# Altium PCB RTD_12POS_WPSv2.PcbDoc (part 1 of 2)
Units mm, origin at the board's own origin, x right, y up, seen from the top; angles counter-clockwise.
Board outline 122.55 x 122.29 mm, 2 copper layers (Top Layer, Bottom Layer); 330 components, 293 nets, 1223 pads, 0 vias.
Unrouted connection lines stored in the file: 835.
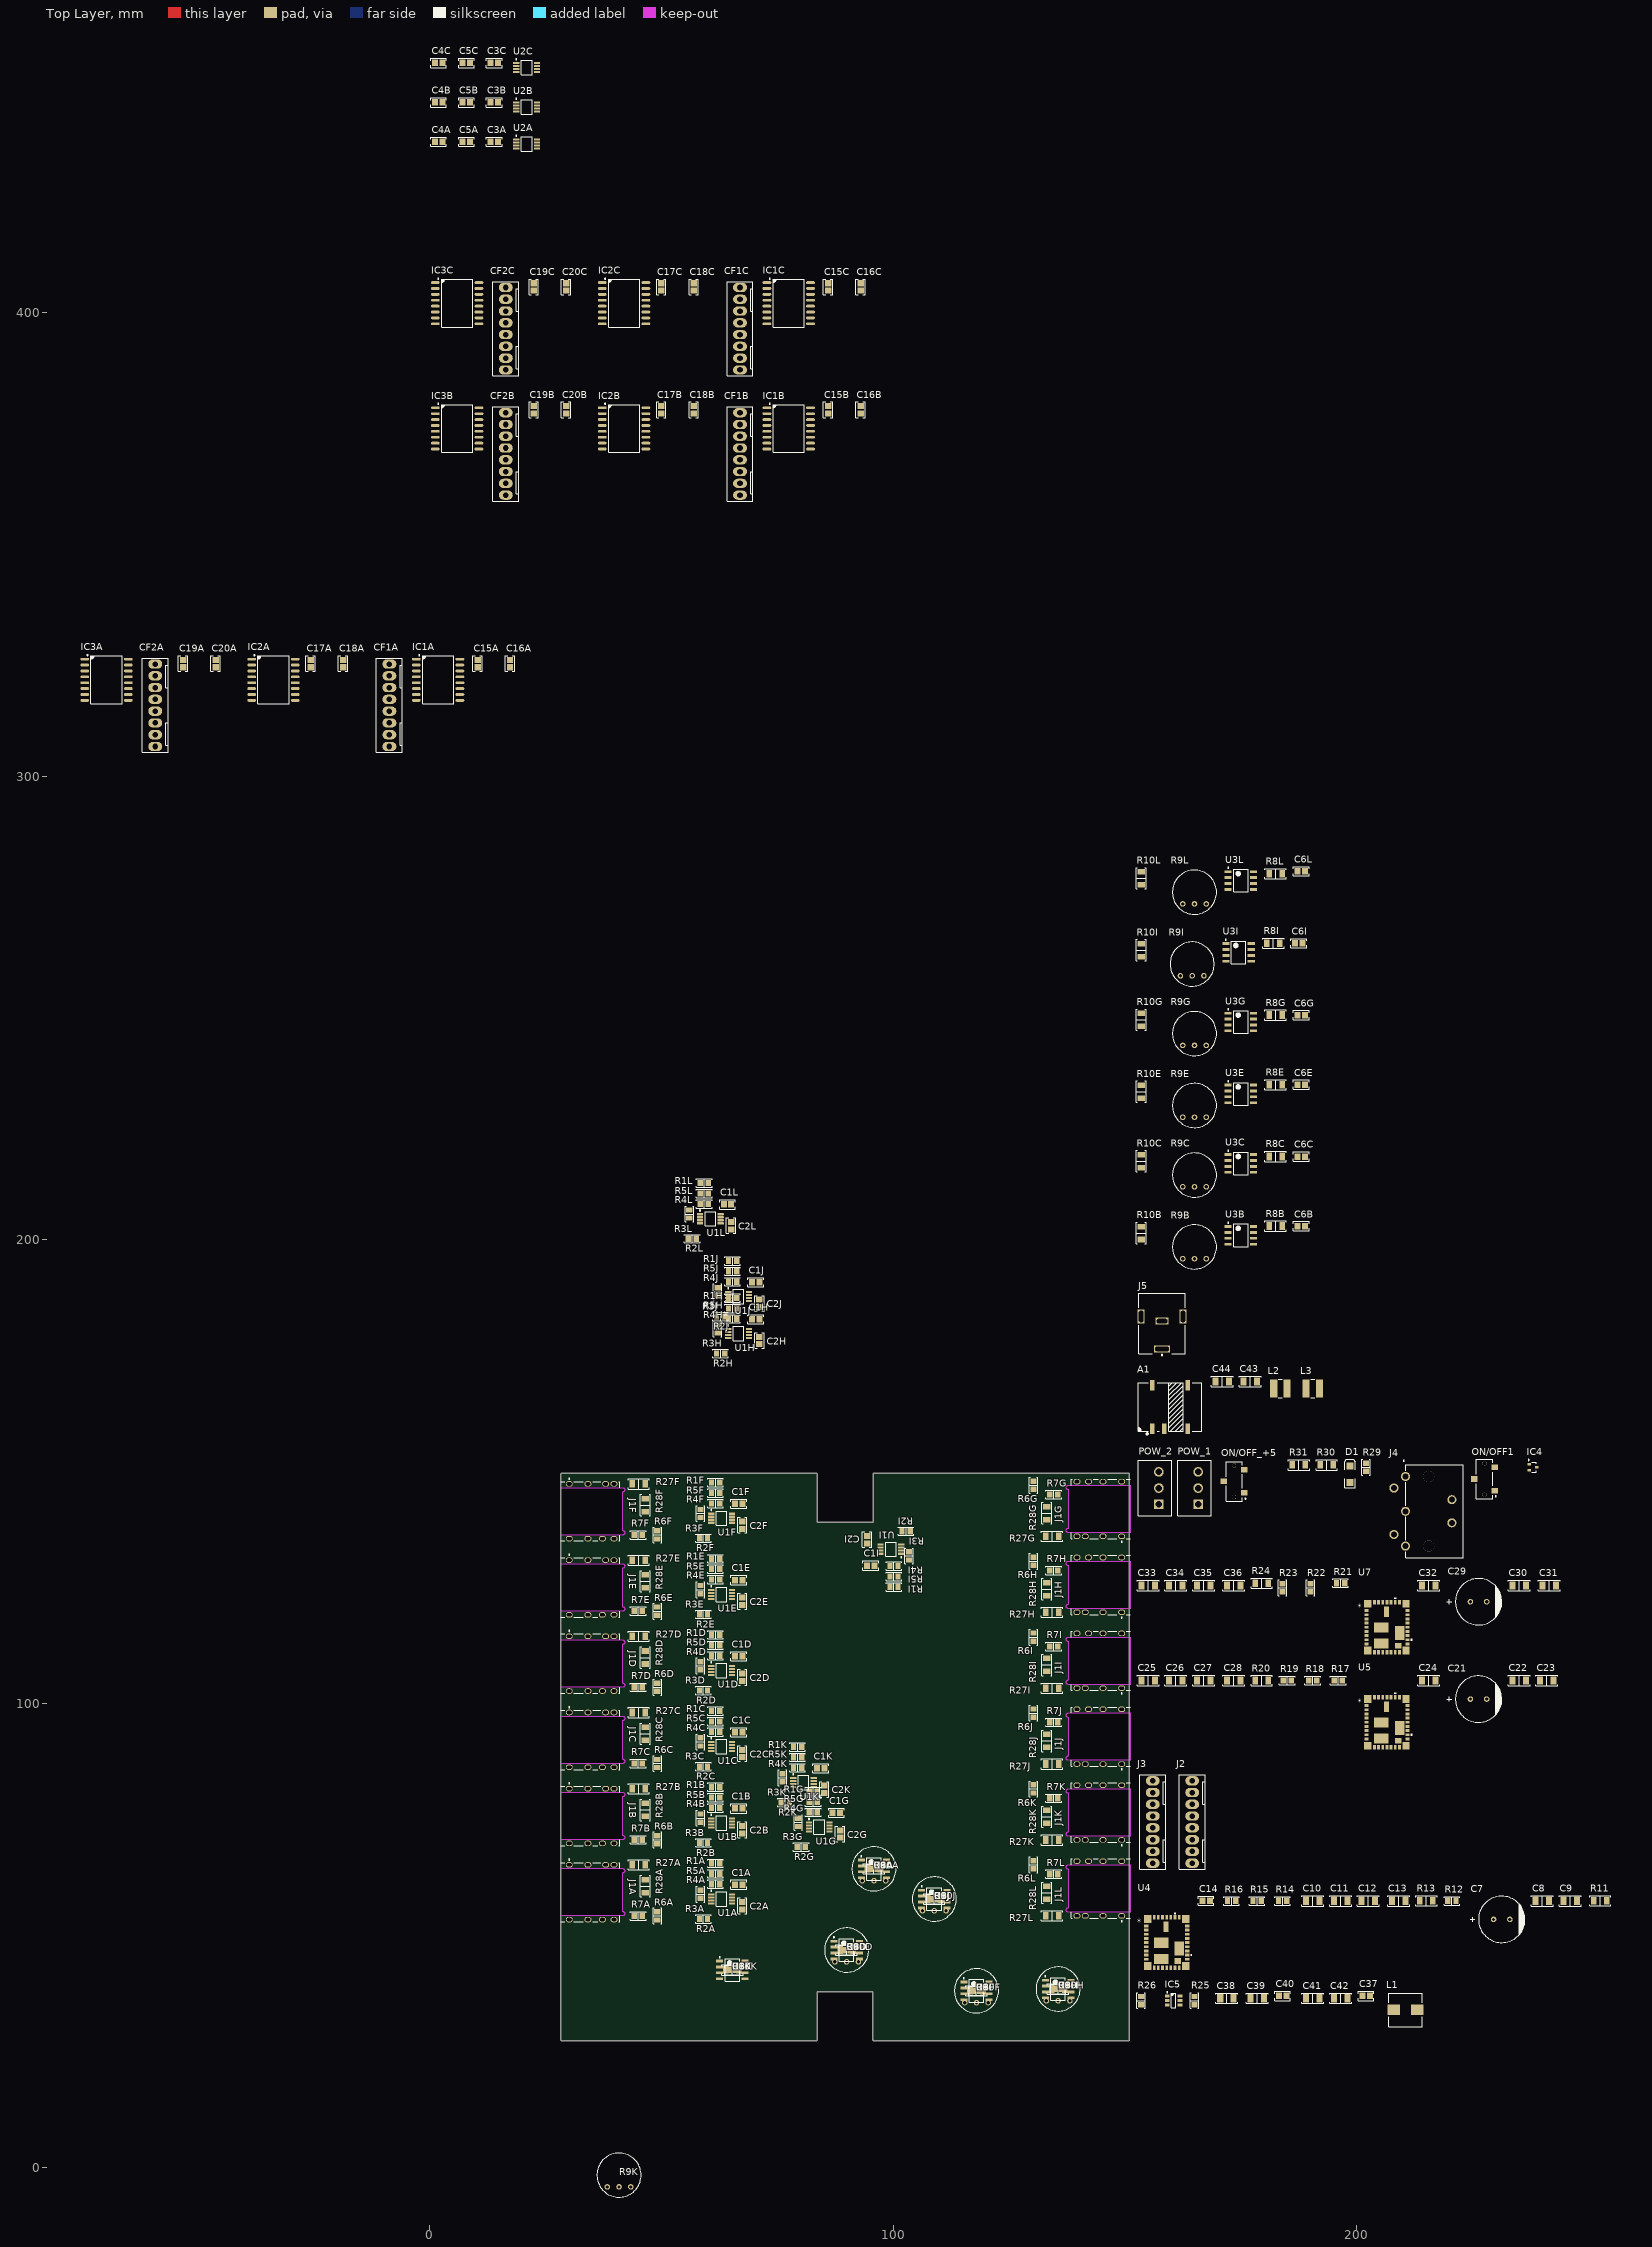
[diagram p0: Top Layer view]
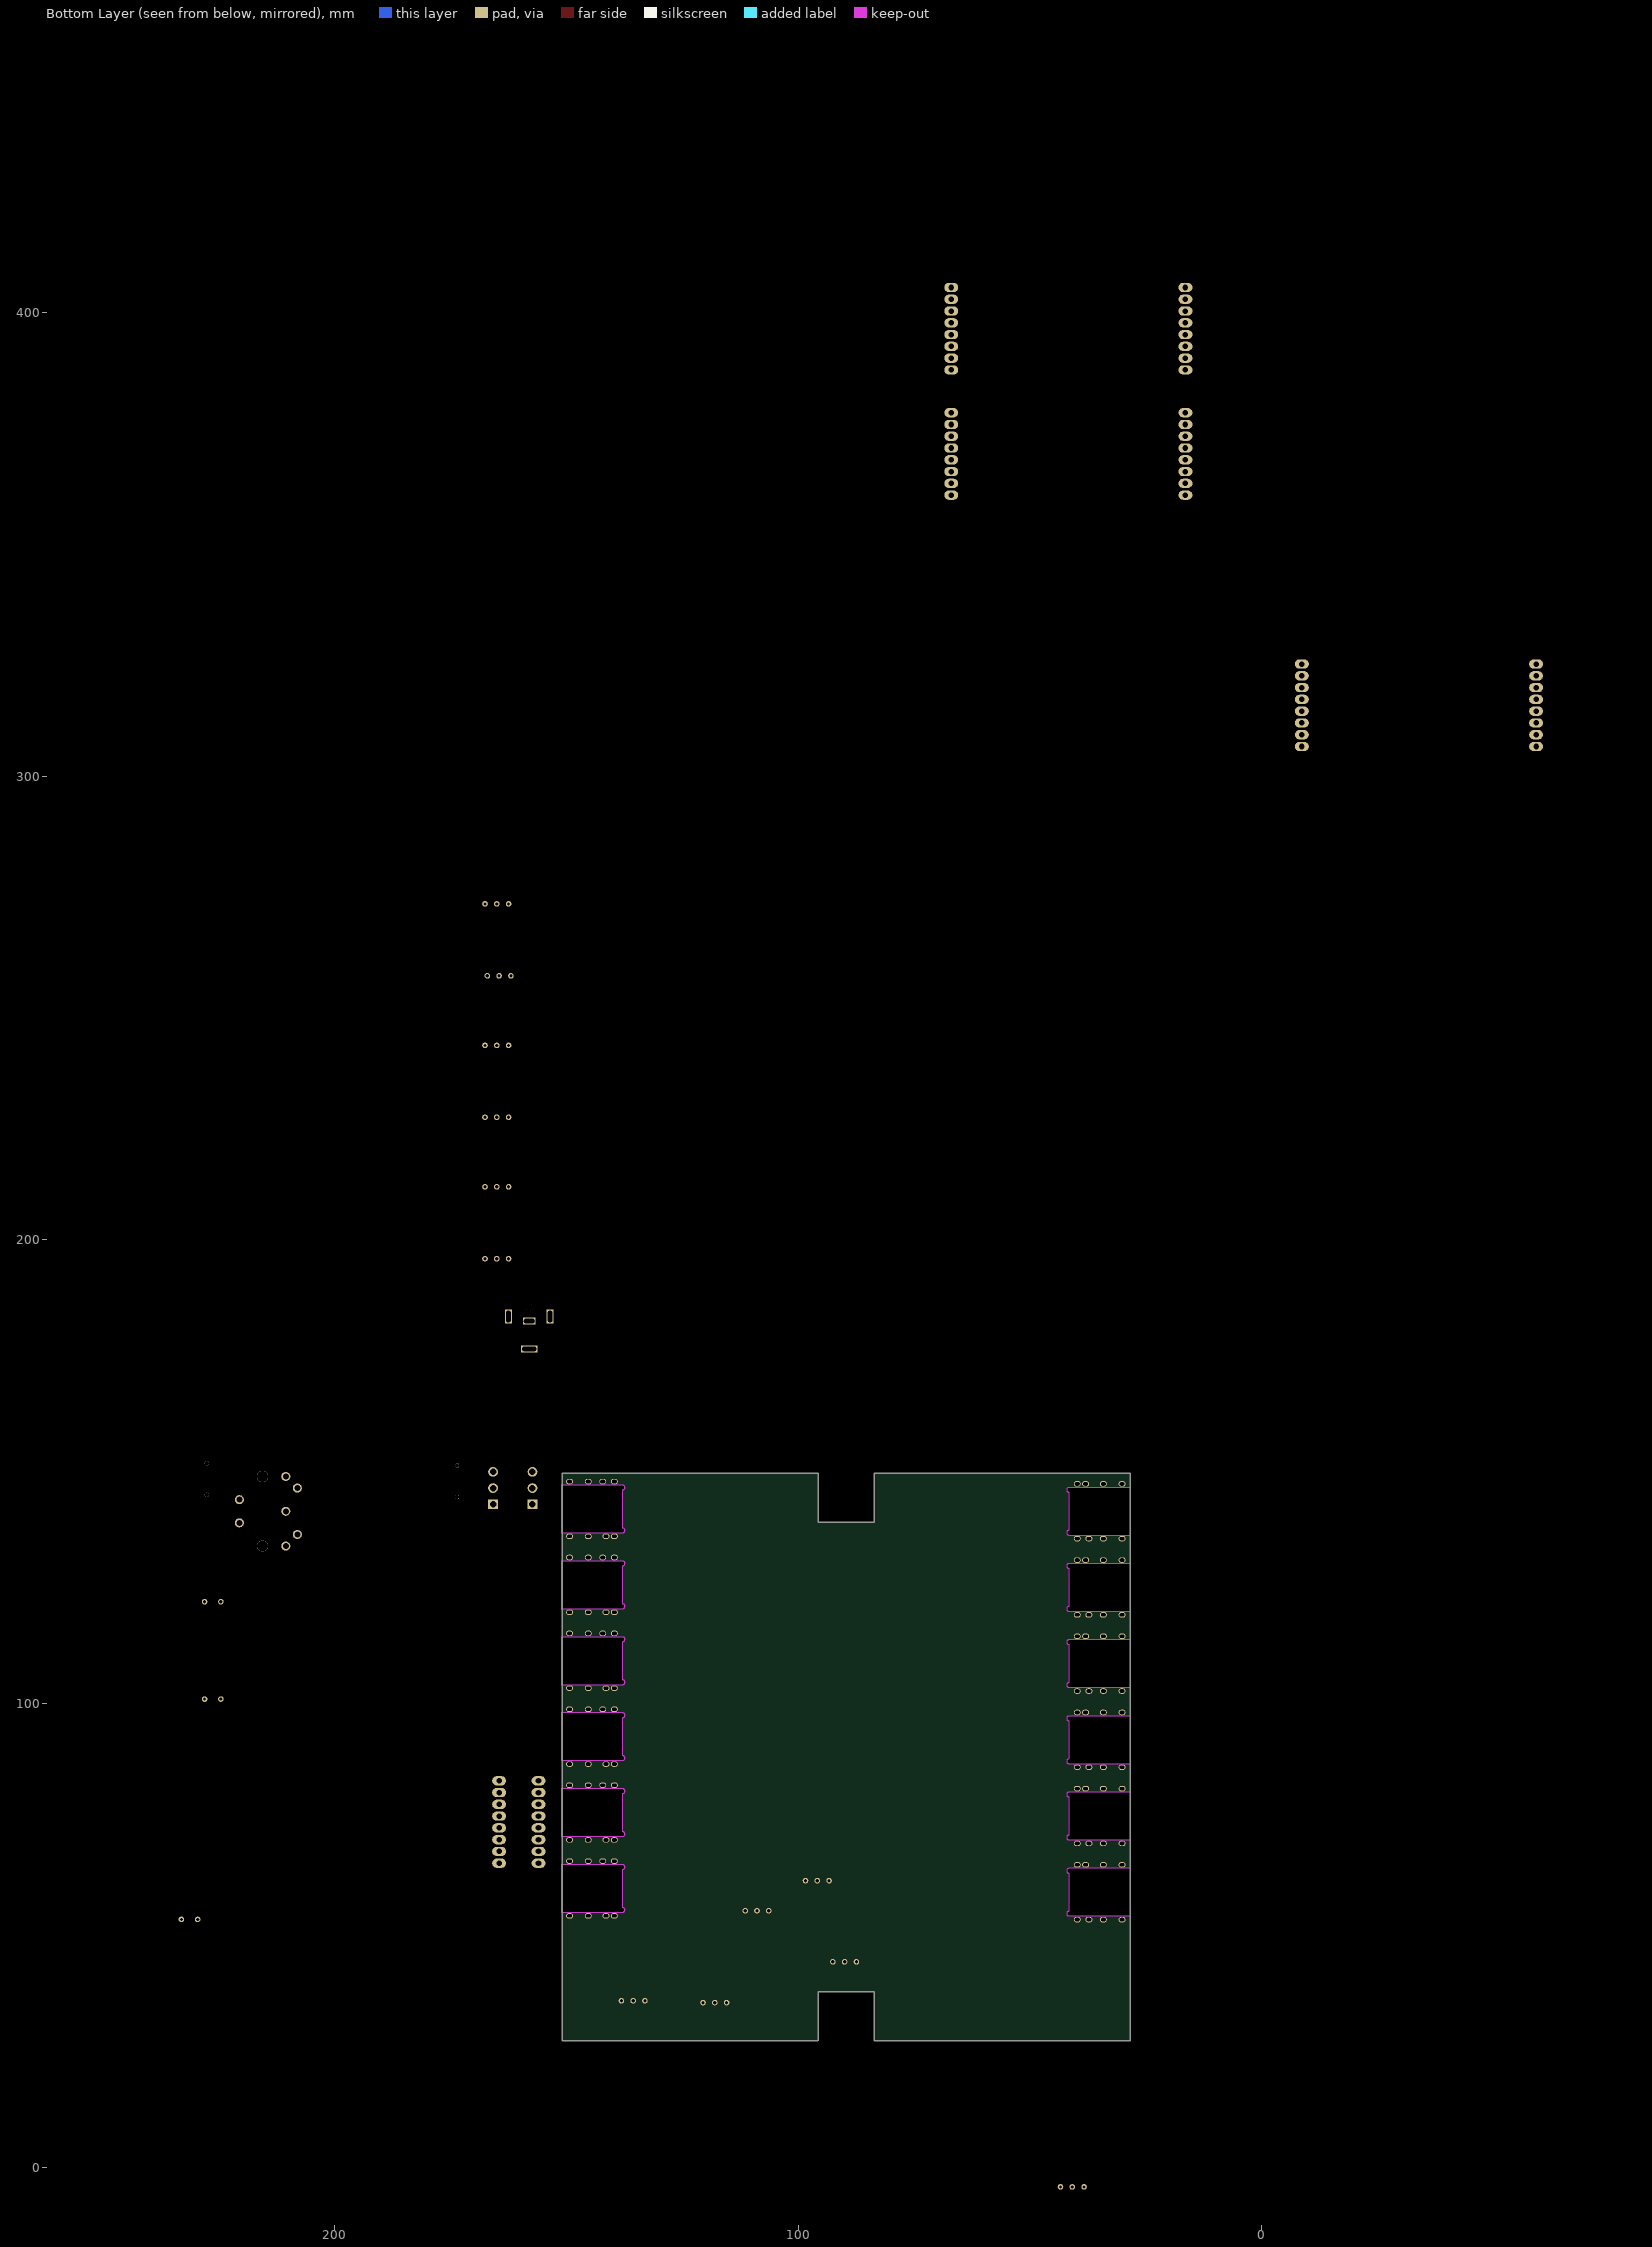
[diagram p1: Bottom Layer view, seen from below]

## Layer stack, top to bottom
Top Solder: solder mask 0.0102, Solder Resist, Dk 3.5
Top Layer: signal copper 0.0356
Dielectric 1: dielectric 0.32, FR-4, Dk 4.8
Bottom Layer: signal copper 0.0356
Bottom Solder: solder mask 0.0102, Solder Resist, Dk 3.5

## Board outline
28.373,27.5 ccw(c28.5,27.5) 28.5,27.373 83.48,27.373 ccw(c83.48,27.5) 83.607,27.5 83.607,37.873 95.673,37.873 95.673,27.51 ccw(c95.8,27.51) 95.715,27.415 ccw(c95.81,27.5) 95.81,27.373 150.8,27.373 ccw(c150.8,27.5) 150.927,27.5 150.927,149.54 ccw(c150.8,149.54) 150.8,149.667 95.82,149.667 ccw(c95.82,149.54) 95.693,149.54 95.693,139.147 83.607,139.147 83.607,149.54 ccw(c83.48,149.54) 83.48,149.667 28.5,149.667 ccw(c28.5,149.54) 28.373,149.54

## Design rules (kind name [scope] priority, off if disabled: settings)
Clearance [All] p1: gap=0.254 ignorepadtopadclearanceinfootprint=FALSE except(0: Arc-Hole Track-Hole SMDPad-Hole THPad-Hole Via-Hole Fill-Hole Poly-Hole Region-Hole Text-Hole)
PolygonConnect [All] p1: connectstyle=Relief reliefconductorwidth=0.254 reliefentries=4 polygonreliefangle="90 Angle" airgapwidth=0.254
RoomDefinition U_VrefSchC [InComponentClass('U_VrefSchC')] p1: confinementstyle=ConfineIn formatcopy=TRUE lockcomponents=FALSE outline 0,450.8 24.5,450.8 24.5,457.8 0,457.8
RoomDefinition U_VrefSchB [InComponentClass('U_VrefSchB')] p2: confinementstyle=ConfineIn formatcopy=TRUE lockcomponents=FALSE outline 0,442.3 24.5,442.3 24.5,449.3 0,449.3
RoomDefinition U_VrefSchA [InComponentClass('U_VrefSchA')] p3: confinementstyle=ConfineIn formatcopy=TRUE lockcomponents=FALSE outline 0,434.3 24.5,434.3 24.5,441.3 0,441.3
RoomDefinition U_VccConnSch [InComponentClass('U_VccConnSch')] p4: confinementstyle=ConfineIn formatcopy=TRUE lockcomponents=FALSE outline 152,174.5 164,174.5 164,191.5 152,191.5
RoomDefinition U_RTDAnalogL [InComponentClass('U_RTDAnalogL')] p5: confinementstyle=ConfineIn formatcopy=TRUE lockcomponents=FALSE outline 54.6,198.975 66.5,198.975 66.5,213.575 54.6,213.575
RoomDefinition U_RTDAnalogK [InComponentClass('U_RTDAnalogK')] p6: confinementstyle=ConfineIn formatcopy=TRUE lockcomponents=FALSE outline 74.7,77.4 86.6,77.4 86.6,92 74.7,92
RoomDefinition U_RTDAnalogJ [InComponentClass('U_RTDAnalogJ')] p7: confinementstyle=ConfineIn formatcopy=TRUE lockcomponents=FALSE outline 60.7,182.199 72.6,182.199 72.6,196.799 60.7,196.799
RoomDefinition U_RTDAnalogI [InComponentClass('U_RTDAnalogI')] p8: confinementstyle=ConfineIn formatcopy=TRUE lockcomponents=FALSE outline 104.9,138.5 93,138.5 93,123.9 104.9,123.9
RoomDefinition U_RTDAnalogH [InComponentClass('U_RTDAnalogH')] p9: confinementstyle=ConfineIn formatcopy=TRUE lockcomponents=FALSE outline 60.7,174.199 72.6,174.199 72.6,188.799 60.7,188.799
RoomDefinition U_RTDAnalogG [InComponentClass('U_RTDAnalogG')] p10: confinementstyle=ConfineIn formatcopy=TRUE lockcomponents=FALSE outline 78.085,67.785 89.985,67.785 89.985,82.385 78.085,82.385
RoomDefinition U_RTDAnalogF [InComponentClass('U_RTDAnalogF')] p11: confinementstyle=ConfineIn formatcopy=TRUE lockcomponents=FALSE outline 57.025,134.4 68.925,134.4 68.925,149 57.025,149
RoomDefinition U_RTDAnalogE [InComponentClass('U_RTDAnalogE')] p12: confinementstyle=ConfineIn formatcopy=TRUE lockcomponents=FALSE outline 57.025,117.98 68.925,117.98 68.925,132.58 57.025,132.58
RoomDefinition U_RTDAnalogD [InComponentClass('U_RTDAnalogD')] p13: confinementstyle=ConfineIn formatcopy=TRUE lockcomponents=FALSE outline 57.025,101.56 68.925,101.56 68.925,116.16 57.025,116.16
RoomDefinition U_RTDAnalogC [InComponentClass('U_RTDAnalogC')] p14: confinementstyle=ConfineIn formatcopy=TRUE lockcomponents=FALSE outline 57.025,85.14 68.925,85.14 68.925,99.74 57.025,99.74
RoomDefinition U_RTDAnalogB [InComponentClass('U_RTDAnalogB')] p15: confinementstyle=ConfineIn formatcopy=TRUE lockcomponents=FALSE outline 57.025,68.72 68.925,68.72 68.925,83.32 57.025,83.32
RoomDefinition U_RTDAnalogA [InComponentClass('U_RTDAnalogA')] p16: confinementstyle=ConfineIn formatcopy=TRUE lockcomponents=FALSE outline 57.025,52.3 68.925,52.3 68.925,66.9 57.025,66.9
RoomDefinition U_PowerIsolation [InComponentClass('U_PowerIsolation')] p17: confinementstyle=ConfineIn formatcopy=TRUE lockcomponents=FALSE outline 152,157 194,157 194,173.5 152,173.5
RoomDefinition U_PowerDelivery [InComponentClass('U_PowerDelivery')] p18: confinementstyle=ConfineIn formatcopy=TRUE lockcomponents=FALSE outline 152.5,131 241,131 241,156 152.5,156
RoomDefinition U_Neg12V [InComponentClass('U_Neg12V')] p19: confinementstyle=ConfineIn formatcopy=TRUE lockcomponents=FALSE outline 152,110 244.5,110 244.5,130 152,130
RoomDefinition U_Neg5V [InComponentClass('U_Neg5V')] p20: confinementstyle=ConfineIn formatcopy=TRUE lockcomponents=FALSE outline 152,89.5 244,89.5 244,109 152,109
RoomDefinition U_MonitorOut [InComponentClass('U_MonitorOut')] p21: confinementstyle=ConfineIn formatcopy=TRUE lockcomponents=FALSE outline 152,63 168.5,63 168.5,88.5 152,88.5
RoomDefinition U_IsolationOut [InComponentClass('U_IsolationOut')] p22: confinementstyle=ConfineIn formatcopy=TRUE lockcomponents=FALSE outline 0,384.999 98,384.999 98,410.499 0,410.499
RoomDefinition U_ConnGd- [InComponentClass('U_ConnGd-')] p23: confinementstyle=ConfineIn formatcopy=TRUE lockcomponents=FALSE outline 0,357.999 98,357.999 98,383.499 0,383.499
RoomDefinition U_ConnGd+ [InComponentClass('U_ConnGd+')] p24: confinementstyle=ConfineIn formatcopy=TRUE lockcomponents=FALSE outline 0,303.8 98,303.8 98,329.3 0,329.3
RoomDefinition U_ConnectorSchL [InComponentClass('U_ConnectorSchL')] p25: confinementstyle=ConfineIn formatcopy=TRUE lockcomponents=FALSE outline 154.3,67.76 128.8,67.76 128.8,51.76 154.3,51.76
RoomDefinition U_ConnectorSchK [InComponentClass('U_ConnectorSchK')] p26: confinementstyle=ConfineIn formatcopy=TRUE lockcomponents=FALSE outline 154.3,84.128 128.8,84.128 128.8,68.128 154.3,68.128
RoomDefinition U_ConnectorSchJ [InComponentClass('U_ConnectorSchJ')] p27: confinementstyle=ConfineIn formatcopy=TRUE lockcomponents=FALSE outline 154.3,100.496 128.8,100.496 128.8,84.496 154.3,84.496
RoomDefinition U_ConnectorSchI [InComponentClass('U_ConnectorSchI')] p28: confinementstyle=ConfineIn formatcopy=TRUE lockcomponents=FALSE outline 154.3,116.864 128.8,116.864 128.8,100.864 154.3,100.864
RoomDefinition U_ConnectorSchH [InComponentClass('U_ConnectorSchH')] p29: confinementstyle=ConfineIn formatcopy=TRUE lockcomponents=FALSE outline 154.3,133.232 128.8,133.232 128.8,117.232 154.3,117.232
RoomDefinition U_ConnectorSchG [InComponentClass('U_ConnectorSchG')] p30: confinementstyle=ConfineIn formatcopy=TRUE lockcomponents=FALSE outline 154.3,149.6 128.8,149.6 128.8,133.6 154.3,133.6
RoomDefinition U_ConnectorSchF [InComponentClass('U_ConnectorSchF')] p31: confinementstyle=ConfineIn formatcopy=TRUE lockcomponents=FALSE outline 25.175,133.9 50.675,133.9 50.675,149.9 25.175,149.9
RoomDefinition U_ConnectorSchE [InComponentClass('U_ConnectorSchE')] p32: confinementstyle=ConfineIn formatcopy=TRUE lockcomponents=FALSE outline 25.175,117.472 50.675,117.472 50.675,133.472 25.175,133.472
RoomDefinition U_ConnectorSchD [InComponentClass('U_ConnectorSchD')] p33: confinementstyle=ConfineIn formatcopy=TRUE lockcomponents=FALSE outline 25.175,101.044 50.675,101.044 50.675,117.044 25.175,117.044
RoomDefinition U_ConnectorSchC [InComponentClass('U_ConnectorSchC')] p34: confinementstyle=ConfineIn formatcopy=TRUE lockcomponents=FALSE outline 25.175,84.616 50.675,84.616 50.675,100.616 25.175,100.616
RoomDefinition U_ConnectorSchB [InComponentClass('U_ConnectorSchB')] p35: confinementstyle=ConfineIn formatcopy=TRUE lockcomponents=FALSE outline 25.175,68.188 50.675,68.188 50.675,84.188 25.175,84.188
RoomDefinition U_ConnectorSchA [InComponentClass('U_ConnectorSchA')] p36: confinementstyle=ConfineIn formatcopy=TRUE lockcomponents=FALSE outline 25.175,51.76 50.675,51.76 50.675,67.76 25.175,67.76
RoomDefinition U_ComparisonSchL [InComponentClass('U_ComparisonSchL')] p37: confinementstyle=ConfineIn formatcopy=TRUE lockcomponents=FALSE outline 152,269.499 191,269.499 191,283.499 152,283.499
RoomDefinition U_ComparisonSchK [InComponentClass('U_ComparisonSchK')] p38: confinementstyle=ConfineIn formatcopy=TRUE lockcomponents=FALSE outline 59.87,37.115 71.37,37.115 71.37,48.115 59.87,48.115
RoomDefinition U_ComparisonSchJ [InComponentClass('U_ComparisonSchJ')] p39: confinementstyle=ConfineIn formatcopy=TRUE lockcomponents=FALSE outline 103.4,52.4 114.9,52.4 114.9,63.4 103.4,63.4
RoomDefinition U_ComparisonSchI [InComponentClass('U_ComparisonSchI')] p40: confinementstyle=ConfineIn formatcopy=TRUE lockcomponents=FALSE outline 152,253.999 190,253.999 190,267.999 152,267.999
RoomDefinition U_ComparisonSchH [InComponentClass('U_ComparisonSchH')] p41: confinementstyle=ConfineIn formatcopy=TRUE lockcomponents=FALSE outline 130.1,33 141.6,33 141.6,44 130.1,44
RoomDefinition U_ComparisonSchG [InComponentClass('U_ComparisonSchG')] p42: confinementstyle=ConfineIn formatcopy=TRUE lockcomponents=FALSE outline 152,239 191,239 191,252.999 152,252.999
RoomDefinition U_ComparisonSchF [InComponentClass('U_ComparisonSchF')] p43: confinementstyle=ConfineIn formatcopy=TRUE lockcomponents=FALSE outline 112.5,32.6 124,32.6 124,43.6 112.5,43.6
RoomDefinition U_ComparisonSchE [InComponentClass('U_ComparisonSchE')] p44: confinementstyle=ConfineIn formatcopy=TRUE lockcomponents=FALSE outline 152,223.5 191,223.5 191,237.5 152,237.5
RoomDefinition U_ComparisonSchD [InComponentClass('U_ComparisonSchD')] p45: confinementstyle=ConfineIn formatcopy=TRUE lockcomponents=FALSE outline 84.5,41.4 96,41.4 96,52.4 84.5,52.4
RoomDefinition U_ComparisonSchC [InComponentClass('U_ComparisonSchC')] p46: confinementstyle=ConfineIn formatcopy=TRUE lockcomponents=FALSE outline 152,208.5 191,208.5 191,222.5 152,222.5
RoomDefinition U_ComparisonSchB [InComponentClass('U_ComparisonSchB')] p47: confinementstyle=ConfineIn formatcopy=TRUE lockcomponents=FALSE outline 152,193 191,193 191,207 152,207
RoomDefinition U_ComparisonSchA [InComponentClass('U_ComparisonSchA')] p48: confinementstyle=ConfineIn formatcopy=TRUE lockcomponents=FALSE outline 90.4,58.9 101.9,58.9 101.9,69.9 90.4,69.9
RoomDefinition U_12VSupply [InComponentClass('U_12VSupply')] p49: confinementstyle=ConfineIn formatcopy=TRUE lockcomponents=FALSE outline 152,42 255.499,42 255.499,61.5 152,61.5
RoomDefinition U_5VSupply [InComponentClass('U_5VSupply')] p50: confinementstyle=ConfineIn formatcopy=TRUE lockcomponents=FALSE outline 152,29.5 215.5,29.5 215.5,41 152,41
RoutingVias [All] p1: holewidth=0.711 width=1.27 viastyle="Through Hole" minholewidth=0.711 minwidth=1.27 maxholewidth=0.711 maxwidth=1.27
SolderMaskExpansion [All] p1: expansion=0.102 istentingtop=FALSE
Width [All] p1: maxlimit=0.254 minlimit=0.254 preferedwidth=0.254
30 further rules are at their usual default settings.

## Classes and differential pairs
channel class VrefSch: U_VrefSchA U_VrefSchB U_VrefSchC
channel class RTDAnalog: U_RTDAnalogA U_RTDAnalogB U_RTDAnalogC U_RTDAnalogD U_RTDAnalogE U_RTDAnalogF U_RTDAnalogG U_RTDAnalogH U_RTDAnalogI U_RTDAnalogJ U_RTDAnalogK U_RTDAnalogL
channel class IsolationOut: U_ConnGd+ U_ConnGd- U_IsolationOut
channel class ConnectorSch: U_ConnectorSchA U_ConnectorSchB U_ConnectorSchC U_ConnectorSchD U_ConnectorSchE U_ConnectorSchF U_ConnectorSchG U_ConnectorSchH U_ConnectorSchI U_ConnectorSchJ U_ConnectorSchK U_ConnectorSchL
channel class ComparisonSch: U_ComparisonSchA U_ComparisonSchB U_ComparisonSchC U_ComparisonSchD U_ComparisonSchE U_ComparisonSchF U_ComparisonSchG U_ComparisonSchH U_ComparisonSchI U_ComparisonSchJ U_ComparisonSchK U_ComparisonSchL
net class Vrtd[1..6]: Vrtd1 Vrtd2 Vrtd3 Vrtd4 Vrtd5 Vrtd6
net class Vref[1..3]: Vref1 Vref2 Vref3
net class Vout[1..6]: Vout1 Vout2 Vout3 Vout4 Vout5 Vout6
net class RTD_GND[1..12]: RTD_GND1 RTD_GND2 RTD_GND3 RTD_GND4 RTD_GND5 RTD_GND6 RTD_GND7 RTD_GND8 RTD_GND9 RTD_GND10 RTD_GND11 RTD_GND12
net class RTD-[1..12]: RTD-1 RTD-2 RTD-3 RTD-4 RTD-5 RTD-6 RTD-7 RTD-8 RTD-9 RTD-10 RTD-11 RTD-12
net class RTD+[1..12]: RTD+1 RTD+2 RTD+3 RTD+4 RTD+5 RTD+6 RTD+7 RTD+8 RTD+9 RTD+10 RTD+11 RTD+12
net class CONNGD-[1..12]: CONNGD-1 CONNGD-2 CONNGD-3 CONNGD-4 CONNGD-5 CONNGD-6 CONNGD-7 CONNGD-8 CONNGD-9 CONNGD-10 CONNGD-11 CONNGD-12
net class CONNGD+[1..12]: CONNGD+1 CONNGD+2 CONNGD+3 CONNGD+4 CONNGD+5 CONNGD+6 CONNGD+7 CONNGD+8 CONNGD+9 CONNGD+10 CONNGD+11 CONNGD+12
net class CFB[1..6]: CFB1 CFB2 CFB3 CFB4 CFB5 CFB6
net class CFA[1..6]: CFA1 CFA2 CFA3 CFA4 CFA5 CFA6
component class U_VrefSchC: C3C C4C C5C U2C
component class U_VrefSchB: C3B C4B C5B U2B
component class U_VrefSchA: C3A C4A C5A U2A
component class U_VccConnSch: J5
component class U_RTDAnalogL: C1L C2L R1L R2L R3L R4L R5L U1L
component class U_RTDAnalogK: C1K C2K R1K R2K R3K R4K R5K U1K
component class U_RTDAnalogJ: C1J C2J R1J R2J R3J R4J R5J U1J
component class U_RTDAnalogI: C1I C2I R1I R2I R3I R4I R5I U1I
component class U_RTDAnalogH: C1H C2H R1H R2H R3H R4H R5H U1H
component class U_RTDAnalogG: C1G C2G R1G R2G R3G R4G R5G U1G
component class U_RTDAnalogF: C1F C2F R1F R2F R3F R4F R5F U1F
component class U_RTDAnalogE: C1E C2E R1E R2E R3E R4E R5E U1E
component class U_RTDAnalogD: C1D C2D R1D R2D R3D R4D R5D U1D
component class U_RTDAnalogC: C1C C2C R1C R2C R3C R4C R5C U1C
component class U_RTDAnalogB: C1B C2B R1B R2B R3B R4B R5B U1B
component class U_RTDAnalogA: C1A C2A R1A R2A R3A R4A R5A U1A
component class U_PowerIsolation: A1 C43 C44 L2 L3
component class U_PowerDelivery: D1 IC4 J4 ON/OFF1 ON/OFF_+5 POW_1 POW_2 R29 R30 R31
component class U_Neg12V: C29 C30 C31 C32 C33 C34 C35 C36 R21 R22 R23 R24 U7 U8
component class U_Neg5V: C21 C22 C23 C24 C25 C26 C27 C28 R17 R18 R19 R20 U5 U6
component class U_MonitorOut: J2 J3
component class U_IsolationOut: C15C C16C C17C C18C C19C C20C CF1C CF2C IC1C IC2C IC3C
component class U_ConnGd-: C15B C16B C17B C18B C19B C20B CF1B CF2B IC1B IC2B IC3B
component class U_ConnGd+: C15A C16A C17A C18A C19A C20A CF1A CF2A IC1A IC2A IC3A
component class U_ConnectorSchL: J1L R6L R7L R27L R28L
component class U_ConnectorSchK: J1K R6K R7K R27K R28K
component class U_ConnectorSchJ: J1J R6J R7J R27J R28J
component class U_ConnectorSchI: J1I R6I R7I R27I R28I
component class U_ConnectorSchH: J1H R6H R7H R27H R28H
component class U_ConnectorSchG: J1G R6G R7G R27G R28G
component class U_ConnectorSchF: J1F R6F R7F R27F R28F
component class U_ConnectorSchE: J1E R6E R7E R27E R28E
component class U_ConnectorSchD: J1D R6D R7D R27D R28D
component class U_ConnectorSchC: J1C R6C R7C R27C R28C
component class U_ConnectorSchB: J1B R6B R7B R27B R28B
component class U_ConnectorSchA: J1A R6A R7A R27A R28A
component class U_ComparisonSchL: C6L R8L R9L R10L U3L
component class U_ComparisonSchK: C6K R8K R9K R10K U3K
component class U_ComparisonSchJ: C6J R8J R9J R10J U3J
component class U_ComparisonSchI: C6I R8I R9I R10I U3I
component class U_ComparisonSchH: C6H R8H R9H R10H U3H